# Altium PCB PCB22.PcbDoc (part 3 of 16)
Units mm, origin at the board's own origin, x right, y up, seen from the top; angles counter-clockwise.
Board outline 233.7 x 110.51 mm, 4 copper layers (Top Layer, Layer 1, Layer 2, Bottom Layer), stack 0.603 mm thick; 1249 components, 1355 nets, 4549 pads, 1315 vias.
Unrouted connection lines stored in the file: 1569.
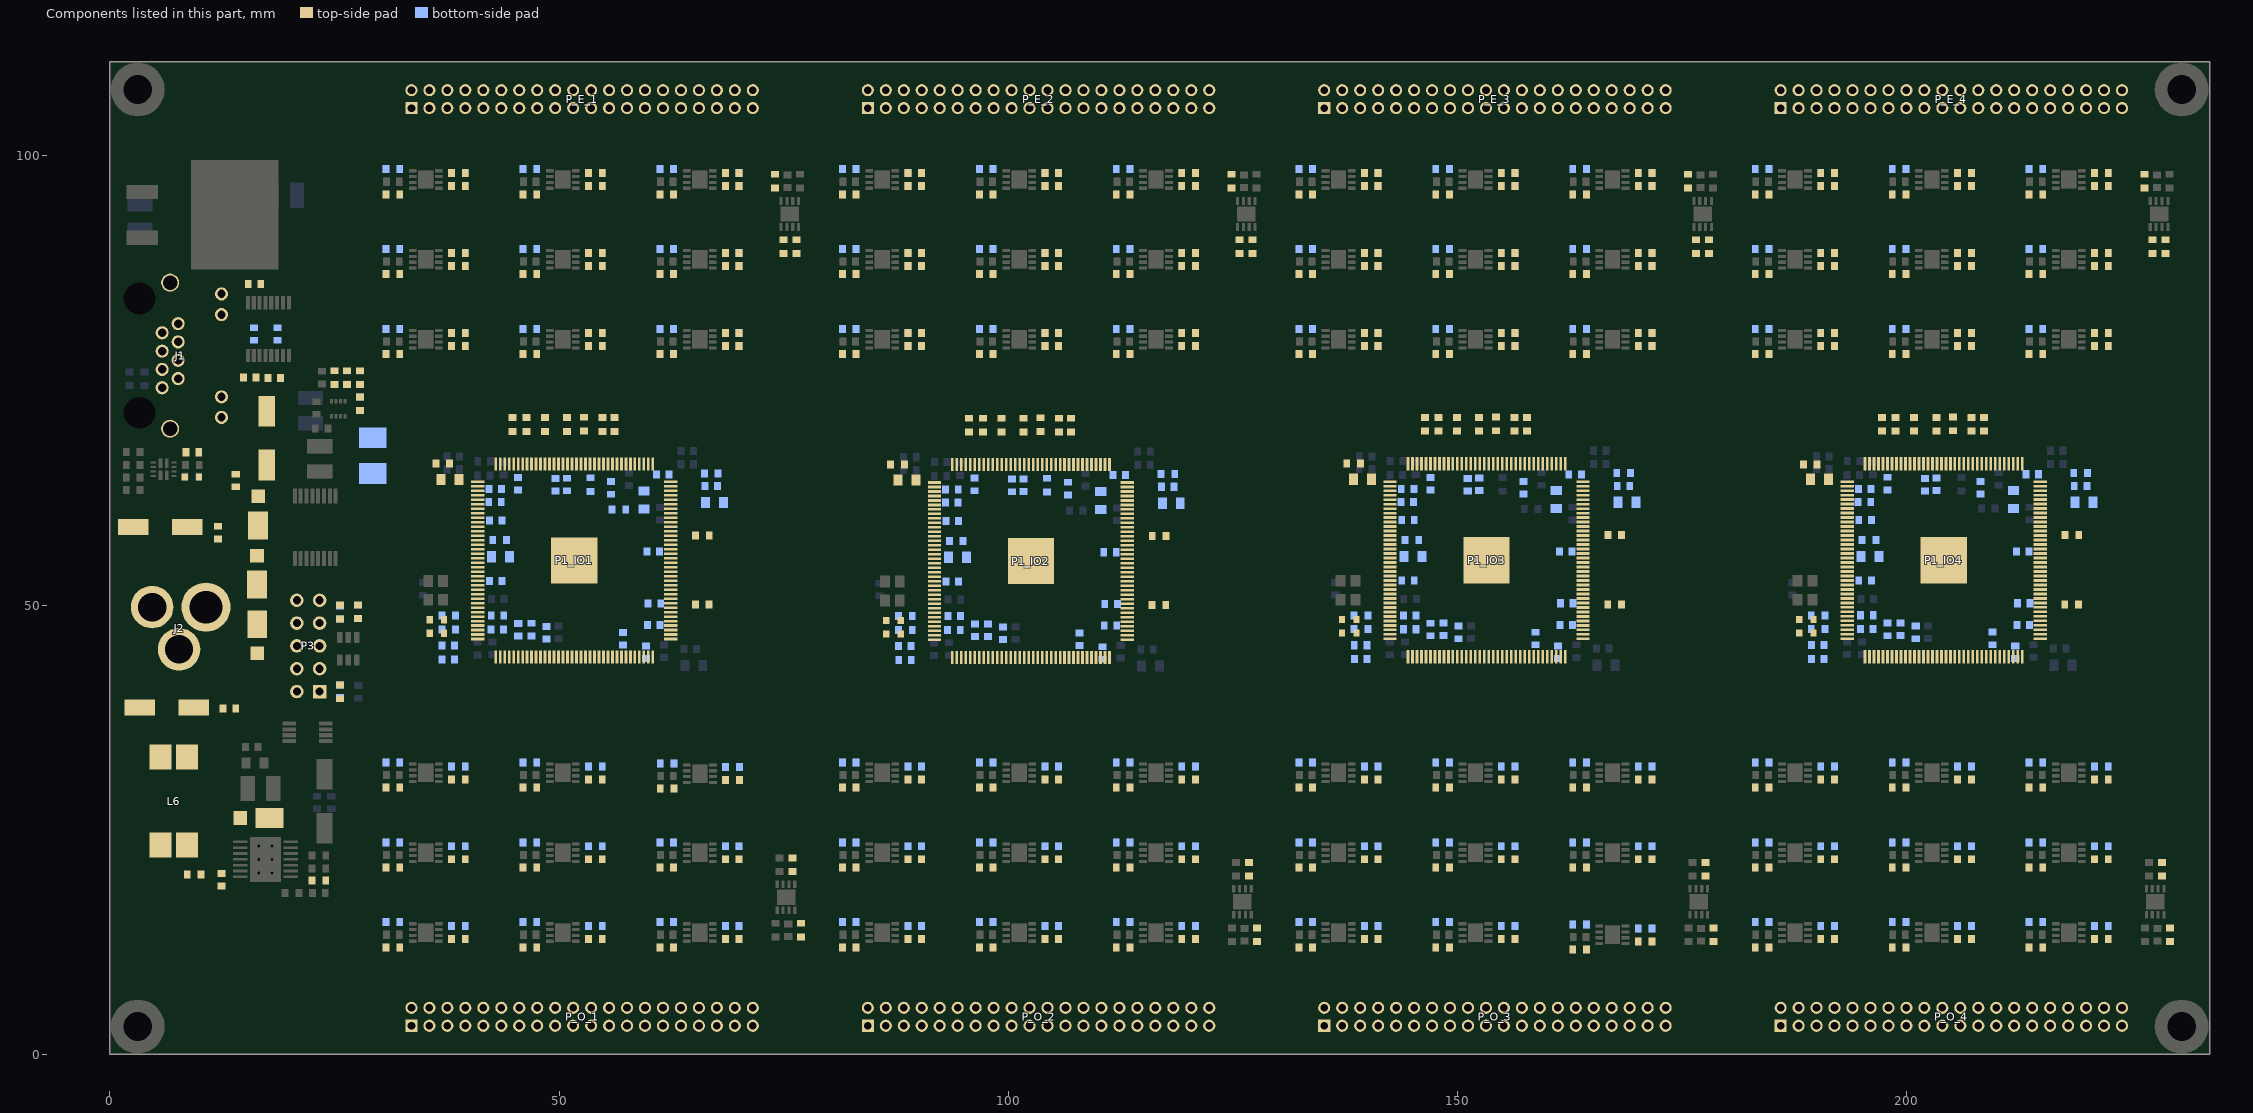
[diagram p5: the components of this part, seen from the top]

## Components (designator, comment, footprint, x,y, rotation, side; value= is the part's Value field where it differs from the comment) (continued)
C38 "10pF/50V" 0603C 25.615,49.181 r270 bottom
C39 "10pF/50V" 0603C 25.612,40.41 r90 bottom
C40 "0.1uF/50V" 0603C 15.556,75.354 r180 top
C41 "0.1uF/50V" 0603C 16.034,80.19 r270 bottom
C42 "0.1uF/50V" 0603C 16.092,85.737 r180 top
C43 "0.1uF/50V" 0603C 18.276,75.308 r180 top
C44 "0.1uF/50V" 0603C 18.635,80.19 r270 bottom
C45_POWER1 "0.1uF/16V" 0603C 60.54,47.785 r180 bottom (schematic designator C45)
C45_POWER2 "0.1uF/16V" 0603C 111.368,47.719 r180 bottom (schematic designator C45)
C45_POWER3 "0.1uF/16V" 0603C 162.089,47.806 r180 bottom (schematic designator C45)
C45_POWER4 "0.1uF/16V" 0603C 212.965,47.81 r180 bottom (schematic designator C45)
C46_POWER1 "10uF/25V" 0805C 37.867,63.99 r0 top (schematic designator C46)
C46_POWER2 "10uF/25V" 0805C 88.695,63.924 r0 top (schematic designator C46)
C46_POWER3 "10uF/25V" 0805C 139.416,64.012 r0 top (schematic designator C46)
C46_POWER4 "10uF/25V" 0805C 190.292,64.015 r0 top (schematic designator C46)
C47_POWER1 "0.47uF/16V" 0603C 61.53,64.549 r0 bottom (schematic designator C47)
C47_POWER2 "0.47uF/16V" 0603C 112.358,64.483 r0 bottom (schematic designator C47)
C47_POWER3 "0.47uF/16V" 0603C 163.08,64.57 r0 bottom (schematic designator C47)
C47_POWER4 "0.47uF/16V" 0603C 213.956,64.574 r0 bottom (schematic designator C47)
C48_POWER1 "0.1uF/16V" 0603C 37.654,45.524 r180 bottom (schematic designator C48)
C48_POWER2 "0.1uF/16V" 0603C 88.482,45.458 r180 bottom (schematic designator C48)
C48_POWER3 "0.1uF/16V" 0603C 139.204,45.546 r180 bottom (schematic designator C48)
C48_POWER4 "0.1uF/16V" 0603C 190.08,45.55 r180 bottom (schematic designator C48)
C49_POWER1 "0.1uF/16V" 0603C 42.861,61.475 r0 bottom (schematic designator C49)
C49_POWER2 "0.1uF/16V" 0603C 93.689,61.409 r0 bottom (schematic designator C49)
C49_POWER3 "0.1uF/16V" 0603C 144.411,61.497 r0 bottom (schematic designator C49)
C49_POWER4 "0.1uF/16V" 0603C 195.287,61.501 r0 bottom (schematic designator C49)
C51_POWER1 "0.1uF/16V" 0603C 42.887,62.923 r0 bottom (schematic designator C51)
C51_POWER2 "0.1uF/16V" 0603C 93.715,62.857 r0 bottom (schematic designator C51)
C51_POWER3 "0.1uF/16V" 0603C 144.436,62.945 r0 bottom (schematic designator C51)
C51_POWER4 "0.1uF/16V" 0603C 195.312,62.949 r0 bottom (schematic designator C51)
C52_POWER1 "0.1uF/16V" 0603C 43.141,48.852 r0 bottom (schematic designator C52)
C52_POWER2 "0.1uF/16V" 0603C 93.969,48.786 r0 bottom (schematic designator C52)
C52_POWER3 "0.1uF/16V" 0603C 144.69,48.873 r0 bottom (schematic designator C52)
C52_POWER4 "0.1uF/16V" 0603C 195.566,48.877 r0 bottom (schematic designator C52)
C53_POWER1 "0.01uF/16V" 0603C 43.115,47.302 r0 bottom (schematic designator C53)
C53_POWER2 "0.01uF/16V" 0603C 93.943,47.236 r0 bottom (schematic designator C53)
C53_POWER3 "0.01uF/16V" 0603C 144.665,47.324 r0 bottom (schematic designator C53)
C53_POWER4 "0.01uF/16V" 0603C 195.541,47.328 r0 bottom (schematic designator C53)
C54_POWER1 "0.47uF/16V" 0603C 59.651,44.748 r270 bottom (schematic designator C54)
C54_POWER2 "0.47uF/16V" 0603C 110.479,44.682 r270 bottom (schematic designator C54)
C54_POWER3 "0.47uF/16V" 0603C 161.2,44.77 r270 bottom (schematic designator C54)
C54_POWER4 "0.47uF/16V" 0603C 212.076,44.773 r270 bottom (schematic designator C54)
C55_POWER1 "10uF/25V" 0805C 59.448,61.729 r90 bottom (schematic designator C55)
C55_POWER2 "10uF/25V" 0805C 110.276,61.663 r90 bottom (schematic designator C55)
C55_POWER3 "10uF/25V" 0805C 160.997,61.751 r90 bottom (schematic designator C55)
C55_POWER4 "10uF/25V" 0805C 211.873,61.755 r90 bottom (schematic designator C55)
C56_POWER1 "22uF/10V" 0603C 37.666,43.975 r0 bottom (schematic designator C56)
C56_POWER2 "22uF/10V" 0603C 88.494,43.909 r0 bottom (schematic designator C56)
C56_POWER3 "22uF/10V" 0603C 139.215,43.996 r0 bottom (schematic designator C56)
C56_POWER4 "22uF/10V" 0603C 190.091,44 r0 bottom (schematic designator C56)
C57_POWER1 "0.1uF/16V" 0603C 48.576,46.947 r90 bottom (schematic designator C57)
C57_POWER2 "0.1uF/16V" 0603C 99.404,46.881 r90 bottom (schematic designator C57)
C57_POWER3 "0.1uF/16V" 0603C 150.126,46.968 r90 bottom (schematic designator C57)
C57_POWER4 "0.1uF/16V" 0603C 201.002,46.972 r90 bottom (schematic designator C57)
C58_POWER1 "0.1uF/16V" 0603C 45.452,47.277 r90 bottom (schematic designator C58)
C58_POWER2 "0.1uF/16V" 0603C 96.28,47.211 r90 bottom (schematic designator C58)
C58_POWER3 "0.1uF/16V" 0603C 147.001,47.298 r90 bottom (schematic designator C58)
C58_POWER4 "0.1uF/16V" 0603C 197.878,47.302 r90 bottom (schematic designator C58)
C59_POWER1 "0.1uF/16V" 0603C 42.938,52.712 r0 bottom (schematic designator C59)
C59_POWER2 "0.1uF/16V" 0603C 93.766,52.646 r0 bottom (schematic designator C59)
C59_POWER3 "0.1uF/16V" 0603C 144.487,52.734 r0 bottom (schematic designator C59)
C59_POWER4 "0.1uF/16V" 0603C 195.363,52.738 r0 bottom (schematic designator C59)
C60_POWER1 "0.1uF/16V" 0603C 42.938,59.443 r0 bottom (schematic designator C60)
C60_POWER2 "0.1uF/16V" 0603C 93.766,59.377 r0 bottom (schematic designator C60)
C60_POWER3 "0.1uF/16V" 0603C 144.487,59.465 r0 bottom (schematic designator C60)
C60_POWER4 "0.1uF/16V" 0603C 195.363,59.469 r0 bottom (schematic designator C60)
C61_POWER1 "0.1uF/16V" 0603C 45.427,63.507 r270 bottom (schematic designator C61)
C61_POWER2 "0.1uF/16V" 0603C 96.255,63.441 r270 bottom (schematic designator C61)
C61_POWER3 "0.1uF/16V" 0603C 146.976,63.529 r270 bottom (schematic designator C61)
C61_POWER4 "0.1uF/16V" 0603C 197.852,63.533 r270 bottom (schematic designator C61)
C62_POWER1 "0.1uF/16V" 0603C 50.862,63.431 r270 bottom (schematic designator C62)
C62_POWER2 "0.1uF/16V" 0603C 101.69,63.365 r270 bottom (schematic designator C62)
C62_POWER3 "0.1uF/16V" 0603C 152.412,63.453 r270 bottom (schematic designator C62)
C62_POWER4 "0.1uF/16V" 0603C 203.288,63.457 r270 bottom (schematic designator C62)
C63 "0.047uF/50V" 0603C 12.44,19.431 r90 top
C64_POWER1 "0.1uF/16V" 0603C 55.79,63.05 r270 bottom (schematic designator C64)
C64_POWER2 "0.1uF/16V" 0603C 106.618,62.984 r270 bottom (schematic designator C64)
C64_POWER3 "0.1uF/16V" 0603C 157.339,63.072 r270 bottom (schematic designator C64)
C64_POWER4 "0.1uF/16V" 0603C 208.215,63.076 r270 bottom (schematic designator C64)
C65_POWER1 "0.1uF/16V" 0603C 60.603,50.196 r180 bottom (schematic designator C65)
C65_POWER2 "0.1uF/16V" 0603C 111.431,50.13 r180 bottom (schematic designator C65)
C65_POWER3 "0.1uF/16V" 0603C 162.153,50.217 r180 bottom (schematic designator C65)
C65_POWER4 "0.1uF/16V" 0603C 213.029,50.221 r180 bottom (schematic designator C65)
C66_POWER1 "0.1uF/16V" 0603C 57.111,46.272 r90 bottom (schematic designator C66)
C66_POWER2 "0.1uF/16V" 0603C 107.939,46.206 r90 bottom (schematic designator C66)
C66_POWER3 "0.1uF/16V" 0603C 158.66,46.294 r90 bottom (schematic designator C66)
C66_POWER4 "0.1uF/16V" 0603C 209.536,46.297 r90 bottom (schematic designator C66)
C67_POWER1 "0.1uF/16V" 0603C 60.489,55.964 r180 bottom (schematic designator C67)
C67_POWER2 "0.1uF/16V" 0603C 111.317,55.898 r180 bottom (schematic designator C67)
C67_POWER3 "0.1uF/16V" 0603C 162.038,55.985 r180 bottom (schematic designator C67)
C67_POWER4 "0.1uF/16V" 0603C 212.914,55.989 r180 bottom (schematic designator C67)
C68_POWER1 "0.47uF/16V" 0603C 46.9,47.288 r90 bottom (schematic designator C68)
C68_POWER2 "0.47uF/16V" 0603C 97.728,47.222 r90 bottom (schematic designator C68)
C68_POWER3 "0.47uF/16V" 0603C 148.449,47.31 r90 bottom (schematic designator C68)
C68_POWER4 "0.47uF/16V" 0603C 199.325,47.313 r90 bottom (schematic designator C68)
C69_POWER1 "10uF/25V" 0805C 43.496,55.405 r0 bottom (schematic designator C69)
C69_POWER2 "10uF/25V" 0805C 94.324,55.339 r0 bottom (schematic designator C69)
C69_POWER3 "10uF/25V" 0805C 145.046,55.426 r0 bottom (schematic designator C69)
C69_POWER4 "10uF/25V" 0805C 195.922,55.43 r0 bottom (schematic designator C69)
C70_POWER1 "10uF/25V" 0805C 67.306,61.425 r180 bottom (schematic designator C70)
C70_POWER2 "10uF/25V" 0805C 118.134,61.359 r180 bottom (schematic designator C70)
C70_POWER3 "10uF/25V" 0805C 168.855,61.446 r180 bottom (schematic designator C70)
C70_POWER4 "10uF/25V" 0805C 219.731,61.45 r180 bottom (schematic designator C70)
C71_POWER1 "22uF/10V" 0603C 49.584,63.395 r90 bottom (schematic designator C71)
C71_POWER2 "22uF/10V" 0603C 100.412,63.329 r90 bottom (schematic designator C71)
C71_POWER3 "22uF/10V" 0603C 151.133,63.417 r90 bottom (schematic designator C71)
C71_POWER4 "22uF/10V" 0603C 202.009,63.421 r90 bottom (schematic designator C71)
C72_POWER1 "22uF/10V" 0603C 66.925,63.253 r180 bottom (schematic designator C72)
C72_POWER2 "22uF/10V" 0603C 117.753,63.187 r180 bottom (schematic designator C72)
C72_POWER3 "22uF/10V" 0603C 168.474,63.275 r180 bottom (schematic designator C72)
C72_POWER4 "22uF/10V" 0603C 219.35,63.279 r180 bottom (schematic designator C72)
C73 "10uF/63V" EEE-FN1J100L 6.324,38.605 r180 top
C74 "2.2uF/50V" 0603C 13.297,38.493 r180 top
C75 "2.2uF/50V" 0603C 12.016,58.082 r90 top
C76 "10uF/63V" EEE-FN1J100L 5.59,58.717 r180 top
C77 "2.2uF/50V" 0603C 9.185,67.028 r180 top
C78 "2.2uF/50V" 0603C 13.999,63.881 r270 top
C79 "10uF/63V" EEE-FN1J100L 17.461,68.603 r90 top
D1_IO1 "LEDR" LED_0603 36.392,48.374 r180 top value=RED (schematic designator D1)
D1_IO2 "LEDR" LED_0603 87.22,48.308 r180 top value=RED (schematic designator D1)
D1_IO3 "LEDR" LED_0603 137.941,48.396 r180 top value=RED (schematic designator D1)
D1_IO4 "LEDR" LED_0603 188.817,48.399 r180 top value=RED (schematic designator D1)
D2_IO1 "LEDR" LED_0603 36.392,46.868 r180 top value=RED (schematic designator D2)
D2_IO2 "LEDR" LED_0603 87.22,46.802 r180 top value=RED (schematic designator D2)
D2_IO3 "LEDR" LED_0603 137.941,46.889 r180 top value=RED (schematic designator D2)
D2_IO4 "LEDR" LED_0603 188.817,46.893 r180 top value=RED (schematic designator D2)
D3 "LEDR" LED_0603 9.118,64.255 r180 top value=RED
D4 "V8PAM10S-M3_H" V8PAM10SHM3H 16.494,59.984 r90 top
D5 "V8PAM10S-M3_H" V8PAM10SHM3H 16.377,53.385 r90 top
D6 "V8PAM10S-M3_H" V8PAM10SHM3H 16.39,46.791 r270 top
D7 "V8PAM10S-M3_H" V8PAM10SHM3H 16.648,26.314 r180 top
J1 "RJHSE-5381" RJHSE5381 5.683,77.703 r270 top locked
J2 "PJ-002BH" PJ002BH 10.693,49.787 r180 top
L1_POWER1 "100R,1A" 0603L 37.039,65.756 r180 top value=100R/1A (schematic designator L1)
L1_POWER2 "100R,1A" 0603L 87.662,65.674 r180 top value=100R/1A (schematic designator L1)
L1_POWER3 "100R,1A" 0603L 138.421,65.787 r180 top value=100R/1A (schematic designator L1)
L1_POWER4 "100R,1A" 0603L 189.262,65.674 r180 top value=100R/1A (schematic designator L1)
L3_POWER1 "100R,1A" 0603L 66.925,64.673 r0 bottom value=100R/1A (schematic designator L3)
L3_POWER2 "100R,1A" 0603L 117.753,64.607 r0 bottom value=100R/1A (schematic designator L3)
L3_POWER3 "100R,1A" 0603L 168.474,64.695 r0 bottom value=100R/1A (schematic designator L3)
L3_POWER4 "100R,1A" 0603L 219.35,64.699 r0 bottom value=100R/1A (schematic designator L3)
L4 "2.2uH" IHLP1616BZER2R2M5A 29.242,68.658 r270 bottom
L6 "22uH" CDRH124NP-220MC 7.106,28.194 r0 top
P1_IO1 "10M04SC E144" 10M04SCE144C8G 51.682,54.979 r0 top (schematic designator P1)
P1_IO2 "10M04SC E144" 10M04SCE144C8G 102.51,54.913 r0 top (schematic designator P1)
P1_IO3 "10M04SC E144" 10M04SCE144C8G 153.231,55.001 r0 top (schematic designator P1)
P1_IO4 "10M04SC E144" 10M04SCE144C8G 204.107,55.005 r0 top locked (schematic designator P1)
P3 "JTAG" HDR2X5 23.339,40.388 r90 top
P_E_1 "Header 20X2" HDR2X20 33.56,105.33 r0 top locked value=40
P_E_2 "Header 20X2" HDR2X20 84.36,105.33 r0 top locked value=40
P_E_3 "Header 20X2" HDR2X20 135.16,105.33 r0 top locked value=40
P_E_4 "Header 20X2" HDR2X20 185.96,105.33 r0 top locked value=40
P_O_1 "Header 20X2" HDR2X20 33.56,3.19 r0 top value=40
P_O_2 "Header 20X2" HDR2X20 84.36,3.19 r0 top locked value=40
P_O_3 "Header 20X2" HDR2X20 135.16,3.19 r0 top locked value=40
P_O_4 "Header 20X2" HDR2X20 185.96,3.19 r0 top locked value=40
R1_IO1 "10K" 0603R 43.369,57.234 r0 bottom (schematic designator R1)
R1_IO2 "10K" 0603R 94.197,57.168 r0 bottom (schematic designator R1)
R1_IO3 "10K" 0603R 144.919,57.255 r0 bottom (schematic designator R1)
R1_IO4 "10K" 0603R 195.795,57.259 r0 bottom (schematic designator R1)
R2_IO1 "10K" 0603R 44.817,70.111 r90 top (schematic designator R2)
R2_IO2 "10K" 0603R 95.645,70.045 r90 top (schematic designator R2)
R2_IO3 "10K" 0603R 146.366,70.133 r90 top (schematic designator R2)
R2_IO4 "10K" 0603R 197.243,70.137 r90 top (schematic designator R2)
R3_IO1 "10K" 0603R 46.341,70.111 r90 top (schematic designator R3)
R3_IO2 "10K" 0603R 97.169,70.045 r90 top (schematic designator R3)
R3_IO3 "10K" 0603R 147.89,70.133 r90 top (schematic designator R3)
R3_IO4 "10K" 0603R 198.767,70.137 r90 top (schematic designator R3)
R4_IO1 "10K" 0603R 48.399,70.111 r90 top (schematic designator R4)
R4_IO2 "10K" 0603R 99.227,70.045 r90 top (schematic designator R4)
R4_IO3 "10K" 0603R 149.948,70.133 r90 top (schematic designator R4)
R4_IO4 "10K" 0603R 200.824,70.137 r90 top (schematic designator R4)
R5_IO1 "10K" 0603R 50.862,70.111 r90 top (schematic designator R5)
R5_IO2 "10K" 0603R 101.69,70.045 r90 top (schematic designator R5)
R5_IO3 "10K" 0603R 152.412,70.133 r90 top (schematic designator R5)
R5_IO4 "10K" 0603R 203.288,70.137 r90 top (schematic designator R5)
R6_IO1 "10K" 0603R 54.799,70.111 r90 top (schematic designator R6)
R6_IO2 "10K" 0603R 105.627,70.045 r90 top (schematic designator R6)
R6_IO3 "10K" 0603R 156.349,70.133 r90 top (schematic designator R6)
R6_IO4 "10K" 0603R 207.225,70.137 r90 top (schematic designator R6)
R7_IO1 "10K" 0603R 56.171,70.111 r90 top (schematic designator R7)
R7_IO2 "10K" 0603R 106.999,70.045 r90 top (schematic designator R7)
R7_IO3 "10K" 0603R 157.72,70.133 r90 top (schematic designator R7)
R7_IO4 "10K" 0603R 208.596,70.137 r90 top (schematic designator R7)
R8_IO1 "220R" 0603R 37.705,48.852 r180 bottom (schematic designator R8)
R8_IO2 "220R" 0603R 88.533,48.786 r180 bottom (schematic designator R8)
R8_IO3 "220R" 0603R 139.254,48.873 r180 bottom (schematic designator R8)
R8_IO4 "220R" 0603R 190.131,48.877 r180 bottom (schematic designator R8)
R9 "10K" 0603R 23.26,19.338 r180 top
R10 "10K" 0603R 25.612,40.348 r270 top
R11 "10K" 0603R 25.615,49.243 r90 top
R12 "1K" 0603R 27.632,49.278 r90 top
R13_IO1 "1K" 0603R 52.742,70.162 r90 top (schematic designator R13)
R13_IO2 "1K" 0603R 103.57,70.096 r90 top (schematic designator R13)
R13_IO3 "1K" 0603R 154.291,70.184 r90 top (schematic designator R13)
R13_IO4 "1K" 0603R 205.167,70.188 r90 top (schematic designator R13)
R14_IO1 "4.7K" 0603R 65.95,57.767 r180 top (schematic designator R14)
R14_IO2 "4.7K" 0603R 116.778,57.701 r180 top (schematic designator R14)
R14_IO3 "4.7K" 0603R 167.499,57.789 r180 top (schematic designator R14)
R14_IO4 "4.7K" 0603R 218.375,57.792 r180 top (schematic designator R14)
R15 "604K" 0603R 24.997,75.336 r270 top
R16 "20R" 0603R 26.397,75.336 r270 top
R17 "10K" 0603R 27.815,72.425 r90 top
R18 "40.2K" 0603R 27.817,75.329 r270 top
R19 "7.68K" 0603R 27.815,72.425 r90 bottom
R20_IO1 "4.7K" 0603R 65.925,50.071 r180 top (schematic designator R20)
R20_IO2 "4.7K" 0603R 116.753,50.005 r180 top (schematic designator R20)
R20_IO3 "4.7K" 0603R 167.474,50.092 r180 top (schematic designator R20)
R20_IO4 "4.7K" 0603R 218.35,50.096 r180 top (schematic designator R20)
R21_IO1 "220R" 0603R 37.705,47.302 r180 bottom (schematic designator R21)
R21_IO2 "220R" 0603R 88.533,47.236 r180 bottom (schematic designator R21)
R21_IO3 "220R" 0603R 139.254,47.324 r180 bottom (schematic designator R21)
R21_IO4 "220R" 0603R 190.131,47.328 r180 bottom (schematic designator R21)
R22 "10K" 0603R 9.366,20.04 r180 top
R23 "10K" 0603R 53.512,63.431 r90 bottom
R24 "10K" 0603R 56.649,60.665 r0 bottom
R25 "10K" 0603R 104.279,63.365 r90 bottom
R26_U_VoltageAmplifier11 "1K" 0603R 38.788,78.872 r0 top (schematic designator R26)
R26_U_VoltageAmplifier12 "1K" 0603R 89.588,78.872 r0 top (schematic designator R26)
R26_U_VoltageAmplifier13 "1K" 0603R 140.388,78.872 r0 top (schematic designator R26)
R26_U_VoltageAmplifier14 "1K" 0603R 191.188,78.872 r0 top (schematic designator R26)
R26_U_VoltageAmplifier21 "1K" 0603R 38.788,80.319 r0 bottom (schematic designator R26)
R26_U_VoltageAmplifier22 "1K" 0603R 89.588,80.319 r0 bottom (schematic designator R26)
R26_U_VoltageAmplifier23 "1K" 0603R 140.388,80.319 r0 bottom (schematic designator R26)
R26_U_VoltageAmplifier24 "1K" 0603R 191.188,80.319 r0 bottom (schematic designator R26)
R26_U_VoltageAmplifier31 "1K" 0603R 38.788,87.762 r0 top (schematic designator R26)
R26_U_VoltageAmplifier32 "1K" 0603R 89.588,87.762 r0 top (schematic designator R26)
R26_U_VoltageAmplifier33 "1K" 0603R 140.388,87.762 r0 top (schematic designator R26)
R26_U_VoltageAmplifier34 "1K" 0603R 191.188,87.762 r0 top (schematic designator R26)
R26_U_VoltageAmplifier41 "1K" 0603R 38.788,89.209 r0 bottom (schematic designator R26)
R26_U_VoltageAmplifier42 "1K" 0603R 89.588,89.209 r0 bottom (schematic designator R26)
R26_U_VoltageAmplifier43 "1K" 0603R 140.388,89.209 r0 bottom (schematic designator R26)
R26_U_VoltageAmplifier44 "1K" 0603R 191.188,89.209 r0 bottom (schematic designator R26)
R26_U_VoltageAmplifier51 "1K" 0603R 38.788,96.652 r0 top (schematic designator R26)
R26_U_VoltageAmplifier52 "1K" 0603R 89.588,96.652 r0 top (schematic designator R26)
R26_U_VoltageAmplifier53 "1K" 0603R 140.388,96.652 r0 top (schematic designator R26)
R26_U_VoltageAmplifier54 "1K" 0603R 191.188,96.652 r0 top (schematic designator R26)
R26_U_VoltageAmplifier61 "1K" 0603R 38.788,98.099 r0 bottom (schematic designator R26)
R26_U_VoltageAmplifier62 "1K" 0603R 89.588,98.099 r0 bottom (schematic designator R26)
R26_U_VoltageAmplifier63 "1K" 0603R 140.388,98.099 r0 bottom (schematic designator R26)
R26_U_VoltageAmplifier64 "1K" 0603R 191.188,98.099 r0 bottom (schematic designator R26)
R26_U_VoltageAmplifier71 "1K" 0603R 54.028,78.872 r0 top (schematic designator R26)
R26_U_VoltageAmplifier72 "1K" 0603R 104.828,78.872 r0 top (schematic designator R26)
R26_U_VoltageAmplifier73 "1K" 0603R 155.628,78.872 r0 top (schematic designator R26)
R26_U_VoltageAmplifier74 "1K" 0603R 206.428,78.872 r0 top (schematic designator R26)
R26_U_VoltageAmplifier81 "1K" 0603R 54.028,80.319 r0 bottom (schematic designator R26)
R26_U_VoltageAmplifier82 "1K" 0603R 104.828,80.319 r0 bottom (schematic designator R26)
R26_U_VoltageAmplifier83 "1K" 0603R 155.628,80.319 r0 bottom (schematic designator R26)
R26_U_VoltageAmplifier84 "1K" 0603R 206.428,80.319 r0 bottom (schematic designator R26)
R26_U_VoltageAmplifier91 "1K" 0603R 54.028,87.762 r0 top (schematic designator R26)
R26_U_VoltageAmplifier92 "1K" 0603R 104.828,87.762 r0 top (schematic designator R26)
R26_U_VoltageAmplifier93 "1K" 0603R 155.628,87.762 r0 top (schematic designator R26)
R26_U_VoltageAmplifier94 "1K" 0603R 206.428,87.762 r0 top (schematic designator R26)
R26_U_VoltageAmplifier101 "1K" 0603R 54.028,89.209 r0 bottom (schematic designator R26)
R26_U_VoltageAmplifier102 "1K" 0603R 104.828,89.209 r0 bottom (schematic designator R26)
R26_U_VoltageAmplifier103 "1K" 0603R 155.628,89.209 r0 bottom (schematic designator R26)
R26_U_VoltageAmplifier104 "1K" 0603R 206.428,89.209 r0 bottom (schematic designator R26)
R26_U_VoltageAmplifier111 "1K" 0603R 54.028,96.652 r0 top (schematic designator R26)
R26_U_VoltageAmplifier112 "1K" 0603R 104.828,96.652 r0 top (schematic designator R26)
R26_U_VoltageAmplifier113 "1K" 0603R 155.628,96.652 r0 top (schematic designator R26)
R26_U_VoltageAmplifier114 "1K" 0603R 206.428,96.652 r0 top (schematic designator R26)
R26_U_VoltageAmplifier121 "1K" 0603R 54.028,98.099 r0 bottom (schematic designator R26)
R26_U_VoltageAmplifier122 "1K" 0603R 104.828,98.099 r0 bottom (schematic designator R26)
R26_U_VoltageAmplifier123 "1K" 0603R 155.628,98.099 r0 bottom (schematic designator R26)
R26_U_VoltageAmplifier124 "1K" 0603R 206.428,98.099 r0 bottom (schematic designator R26)
R26_U_VoltageAmplifier131 "1K" 0603R 69.268,78.872 r0 top (schematic designator R26)
R26_U_VoltageAmplifier132 "1K" 0603R 120.068,78.872 r0 top (schematic designator R26)
R26_U_VoltageAmplifier133 "1K" 0603R 170.868,78.872 r0 top (schematic designator R26)
R26_U_VoltageAmplifier134 "1K" 0603R 221.668,78.872 r0 top (schematic designator R26)
R26_U_VoltageAmplifier141 "1K" 0603R 69.268,80.319 r0 bottom (schematic designator R26)
R26_U_VoltageAmplifier142 "1K" 0603R 120.068,80.319 r0 bottom (schematic designator R26)
R26_U_VoltageAmplifier143 "1K" 0603R 170.868,80.319 r0 bottom (schematic designator R26)
R26_U_VoltageAmplifier144 "1K" 0603R 221.668,80.319 r0 bottom (schematic designator R26)
R26_U_VoltageAmplifier151 "1K" 0603R 69.268,87.762 r0 top (schematic designator R26)
R26_U_VoltageAmplifier152 "1K" 0603R 120.068,87.762 r0 top (schematic designator R26)
R26_U_VoltageAmplifier153 "1K" 0603R 170.868,87.762 r0 top (schematic designator R26)
R26_U_VoltageAmplifier154 "1K" 0603R 221.668,87.762 r0 top (schematic designator R26)
R26_U_VoltageAmplifier161 "1K" 0603R 69.268,89.209 r0 bottom (schematic designator R26)
R26_U_VoltageAmplifier162 "1K" 0603R 120.068,89.209 r0 bottom (schematic designator R26)
R26_U_VoltageAmplifier163 "1K" 0603R 170.868,89.209 r0 bottom (schematic designator R26)
R26_U_VoltageAmplifier164 "1K" 0603R 221.668,89.209 r0 bottom (schematic designator R26)
R26_U_VoltageAmplifier171 "1K" 0603R 69.268,96.652 r0 top (schematic designator R26)
R26_U_VoltageAmplifier172 "1K" 0603R 120.068,96.652 r0 top (schematic designator R26)
R26_U_VoltageAmplifier173 "1K" 0603R 170.868,96.652 r0 top (schematic designator R26)
R26_U_VoltageAmplifier174 "1K" 0603R 221.668,96.652 r0 top (schematic designator R26)
R26_U_VoltageAmplifier181 "1K" 0603R 69.268,98.099 r0 bottom (schematic designator R26)
R26_U_VoltageAmplifier182 "1K" 0603R 120.068,98.099 r0 bottom (schematic designator R26)
R26_U_VoltageAmplifier183 "1K" 0603R 170.868,98.099 r0 bottom (schematic designator R26)
R26_U_VoltageAmplifier184 "1K" 0603R 221.668,98.099 r0 bottom (schematic designator R26)
R26_U_VoltageAmplifier191 "1K" 0603R 74.952,89.91 r270 top (schematic designator R26)
R26_U_VoltageAmplifier192 "1K" 0603R 125.752,89.91 r270 top (schematic designator R26)
R26_U_VoltageAmplifier193 "1K" 0603R 176.552,89.91 r270 top (schematic designator R26)
R26_U_VoltageAmplifier194 "1K" 0603R 227.352,89.91 r270 top (schematic designator R26)
R26_U_VoltageAmplifier201 "1K" 0603R 38.788,30.612 r0 top (schematic designator R26)
R26_U_VoltageAmplifier202 "1K" 0603R 89.588,30.612 r0 top (schematic designator R26)
R26_U_VoltageAmplifier203 "1K" 0603R 140.388,30.612 r0 top (schematic designator R26)
R26_U_VoltageAmplifier204 "1K" 0603R 191.188,30.612 r0 top (schematic designator R26)
R26_U_VoltageAmplifier211 "1K" 0603R 38.788,32.059 r0 bottom (schematic designator R26)
R26_U_VoltageAmplifier212 "1K" 0603R 89.588,32.059 r0 bottom (schematic designator R26)
R26_U_VoltageAmplifier213 "1K" 0603R 140.388,32.059 r0 bottom (schematic designator R26)
R26_U_VoltageAmplifier214 "1K" 0603R 191.188,32.059 r0 bottom (schematic designator R26)
R26_U_VoltageAmplifier221 "1K" 0603R 38.788,21.722 r0 top (schematic designator R26)
R26_U_VoltageAmplifier222 "1K" 0603R 89.588,21.722 r0 top (schematic designator R26)
R26_U_VoltageAmplifier223 "1K" 0603R 140.388,21.722 r0 top (schematic designator R26)
R26_U_VoltageAmplifier224 "1K" 0603R 191.188,21.722 r0 top (schematic designator R26)
R26_U_VoltageAmplifier231 "1K" 0603R 38.788,23.169 r0 bottom (schematic designator R26)
R26_U_VoltageAmplifier232 "1K" 0603R 89.588,23.169 r0 bottom (schematic designator R26)
R26_U_VoltageAmplifier233 "1K" 0603R 140.388,23.169 r0 bottom (schematic designator R26)
R26_U_VoltageAmplifier234 "1K" 0603R 191.188,23.169 r0 bottom (schematic designator R26)
R26_U_VoltageAmplifier241 "1K" 0603R 38.788,12.832 r0 top (schematic designator R26)
R26_U_VoltageAmplifier242 "1K" 0603R 89.588,12.832 r0 top (schematic designator R26)
R26_U_VoltageAmplifier243 "1K" 0603R 140.388,12.832 r0 top (schematic designator R26)
R26_U_VoltageAmplifier244 "1K" 0603R 191.188,12.832 r0 top (schematic designator R26)
R26_U_VoltageAmplifier251 "1K" 0603R 38.788,14.279 r0 bottom (schematic designator R26)
R26_U_VoltageAmplifier252 "1K" 0603R 89.588,14.279 r0 bottom (schematic designator R26)
R26_U_VoltageAmplifier253 "1K" 0603R 140.388,14.279 r0 bottom (schematic designator R26)
R26_U_VoltageAmplifier254 "1K" 0603R 191.188,14.279 r0 bottom (schematic designator R26)
R26_U_VoltageAmplifier261 "1K" 0603R 54.028,30.612 r0 top (schematic designator R26)
R26_U_VoltageAmplifier262 "1K" 0603R 104.828,30.612 r0 top (schematic designator R26)
R26_U_VoltageAmplifier263 "1K" 0603R 155.628,30.612 r0 top (schematic designator R26)
R26_U_VoltageAmplifier264 "1K" 0603R 206.428,30.612 r0 top (schematic designator R26)
R26_U_VoltageAmplifier271 "1K" 0603R 54.028,32.059 r0 bottom (schematic designator R26)
R26_U_VoltageAmplifier272 "1K" 0603R 104.828,32.059 r0 bottom (schematic designator R26)
R26_U_VoltageAmplifier273 "1K" 0603R 155.628,32.059 r0 bottom (schematic designator R26)
R26_U_VoltageAmplifier274 "1K" 0603R 206.428,32.059 r0 bottom (schematic designator R26)
R26_U_VoltageAmplifier281 "1K" 0603R 54.028,21.722 r0 top (schematic designator R26)
R26_U_VoltageAmplifier282 "1K" 0603R 104.828,21.722 r0 top (schematic designator R26)
R26_U_VoltageAmplifier283 "1K" 0603R 155.628,21.722 r0 top (schematic designator R26)
R26_U_VoltageAmplifier284 "1K" 0603R 206.428,21.722 r0 top (schematic designator R26)
R26_U_VoltageAmplifier291 "1K" 0603R 54.028,23.169 r0 bottom (schematic designator R26)
R26_U_VoltageAmplifier292 "1K" 0603R 104.828,23.169 r0 bottom (schematic designator R26)
R26_U_VoltageAmplifier293 "1K" 0603R 155.628,23.169 r0 bottom (schematic designator R26)
R26_U_VoltageAmplifier294 "1K" 0603R 206.428,23.169 r0 bottom (schematic designator R26)
R26_U_VoltageAmplifier301 "1K" 0603R 54.028,12.832 r0 top (schematic designator R26)
R26_U_VoltageAmplifier302 "1K" 0603R 104.828,12.832 r0 top (schematic designator R26)
R26_U_VoltageAmplifier303 "1K" 0603R 155.628,12.832 r0 top (schematic designator R26)
R26_U_VoltageAmplifier304 "1K" 0603R 206.428,12.832 r0 top (schematic designator R26)
R26_U_VoltageAmplifier311 "1K" 0603R 54.028,14.279 r0 bottom (schematic designator R26)
R26_U_VoltageAmplifier312 "1K" 0603R 104.828,14.279 r0 bottom (schematic designator R26)
R26_U_VoltageAmplifier313 "1K" 0603R 155.628,14.279 r0 bottom (schematic designator R26)
R26_U_VoltageAmplifier314 "1K" 0603R 206.428,14.279 r0 bottom (schematic designator R26)
R26_U_VoltageAmplifier321 "1K" 0603R 69.298,30.52 r0 top (schematic designator R26)
R26_U_VoltageAmplifier322 "1K" 0603R 120.068,30.612 r0 top (schematic designator R26)
R26_U_VoltageAmplifier323 "1K" 0603R 170.868,30.612 r0 top (schematic designator R26)
R26_U_VoltageAmplifier324 "1K" 0603R 221.668,30.612 r0 top (schematic designator R26)
R26_U_VoltageAmplifier331 "1K" 0603R 69.298,31.968 r0 bottom (schematic designator R26)
R26_U_VoltageAmplifier332 "1K" 0603R 120.068,32.059 r0 bottom (schematic designator R26)
R26_U_VoltageAmplifier333 "1K" 0603R 170.868,32.059 r0 bottom (schematic designator R26)
R26_U_VoltageAmplifier334 "1K" 0603R 221.668,32.059 r0 bottom (schematic designator R26)
R26_U_VoltageAmplifier341 "1K" 0603R 69.268,21.722 r0 top (schematic designator R26)
R26_U_VoltageAmplifier342 "1K" 0603R 120.068,21.722 r0 top (schematic designator R26)
R26_U_VoltageAmplifier343 "1K" 0603R 170.868,21.722 r0 top (schematic designator R26)
R26_U_VoltageAmplifier344 "1K" 0603R 221.668,21.722 r0 top (schematic designator R26)
R26_U_VoltageAmplifier351 "1K" 0603R 69.268,23.169 r0 bottom (schematic designator R26)
R26_U_VoltageAmplifier352 "1K" 0603R 120.068,23.169 r0 bottom (schematic designator R26)
R26_U_VoltageAmplifier353 "1K" 0603R 170.868,23.169 r0 bottom (schematic designator R26)
R26_U_VoltageAmplifier354 "1K" 0603R 221.668,23.169 r0 bottom (schematic designator R26)
R26_U_VoltageAmplifier361 "1K" 0603R 69.268,12.832 r0 top (schematic designator R26)
R26_U_VoltageAmplifier362 "1K" 0603R 120.068,12.832 r0 top (schematic designator R26)
R26_U_VoltageAmplifier363 "1K" 0603R 170.868,12.578 r0 top (schematic designator R26)
R26_U_VoltageAmplifier364 "1K" 0603R 221.668,12.832 r0 top (schematic designator R26)
R26_U_VoltageAmplifier371 "1K" 0603R 69.268,14.279 r0 bottom (schematic designator R26)
R26_U_VoltageAmplifier372 "1K" 0603R 120.068,14.279 r0 bottom (schematic designator R26)
R26_U_VoltageAmplifier373 "1K" 0603R 170.868,14.025 r0 bottom (schematic designator R26)
R26_U_VoltageAmplifier374 "1K" 0603R 221.668,14.279 r0 bottom (schematic designator R26)
R26_U_VoltageAmplifier381 "1K" 0603R 75.988,21.118 r90 top (schematic designator R26)
R26_U_VoltageAmplifier382 "1K" 0603R 126.788,20.61 r90 top (schematic designator R26)
R26_U_VoltageAmplifier383 "1K" 0603R 177.588,20.61 r90 top (schematic designator R26)
R26_U_VoltageAmplifier384 "1K" 0603R 228.388,20.61 r90 top (schematic designator R26)
R27_U_VoltageAmplifier11 "160R" 0603R 31.498,77.957 r0 top (schematic designator R27)
R27_U_VoltageAmplifier12 "160R" 0603R 82.298,77.957 r0 top (schematic designator R27)
R27_U_VoltageAmplifier13 "160R" 0603R 133.098,77.957 r0 top (schematic designator R27)
R27_U_VoltageAmplifier14 "160R" 0603R 183.898,77.957 r0 top (schematic designator R27)
R27_U_VoltageAmplifier21 "160R" 0603R 31.498,80.751 r0 bottom (schematic designator R27)
R27_U_VoltageAmplifier22 "160R" 0603R 82.298,80.751 r0 bottom (schematic designator R27)
R27_U_VoltageAmplifier23 "160R" 0603R 133.098,80.751 r0 bottom (schematic designator R27)
R27_U_VoltageAmplifier24 "160R" 0603R 183.898,80.751 r0 bottom (schematic designator R27)
R27_U_VoltageAmplifier31 "160R" 0603R 31.498,86.847 r0 top (schematic designator R27)
R27_U_VoltageAmplifier32 "160R" 0603R 82.298,86.847 r0 top (schematic designator R27)
R27_U_VoltageAmplifier33 "160R" 0603R 133.098,86.847 r0 top (schematic designator R27)
R27_U_VoltageAmplifier34 "160R" 0603R 183.898,86.847 r0 top (schematic designator R27)
R27_U_VoltageAmplifier41 "160R" 0603R 31.498,89.641 r0 bottom (schematic designator R27)
R27_U_VoltageAmplifier42 "160R" 0603R 82.298,89.641 r0 bottom (schematic designator R27)
R27_U_VoltageAmplifier43 "160R" 0603R 133.098,89.641 r0 bottom (schematic designator R27)
R27_U_VoltageAmplifier44 "160R" 0603R 183.898,89.641 r0 bottom (schematic designator R27)
R27_U_VoltageAmplifier51 "160R" 0603R 31.498,95.737 r0 top (schematic designator R27)
R27_U_VoltageAmplifier52 "160R" 0603R 82.298,95.737 r0 top (schematic designator R27)
R27_U_VoltageAmplifier53 "160R" 0603R 133.098,95.737 r0 top (schematic designator R27)
R27_U_VoltageAmplifier54 "160R" 0603R 183.898,95.737 r0 top (schematic designator R27)
R27_U_VoltageAmplifier61 "160R" 0603R 31.498,98.531 r0 bottom (schematic designator R27)
R27_U_VoltageAmplifier62 "160R" 0603R 82.298,98.531 r0 bottom (schematic designator R27)
R27_U_VoltageAmplifier63 "160R" 0603R 133.098,98.531 r0 bottom (schematic designator R27)
R27_U_VoltageAmplifier64 "160R" 0603R 183.898,98.531 r0 bottom (schematic designator R27)
R27_U_VoltageAmplifier71 "160R" 0603R 46.738,77.957 r0 top (schematic designator R27)
R27_U_VoltageAmplifier72 "160R" 0603R 97.538,77.957 r0 top (schematic designator R27)
R27_U_VoltageAmplifier73 "160R" 0603R 148.338,77.957 r0 top (schematic designator R27)
R27_U_VoltageAmplifier74 "160R" 0603R 199.138,77.957 r0 top (schematic designator R27)
R27_U_VoltageAmplifier81 "160R" 0603R 46.738,80.751 r0 bottom (schematic designator R27)
R27_U_VoltageAmplifier82 "160R" 0603R 97.538,80.751 r0 bottom (schematic designator R27)
R27_U_VoltageAmplifier83 "160R" 0603R 148.338,80.751 r0 bottom (schematic designator R27)
R27_U_VoltageAmplifier84 "160R" 0603R 199.138,80.751 r0 bottom (schematic designator R27)
R27_U_VoltageAmplifier91 "160R" 0603R 46.738,86.847 r0 top (schematic designator R27)
R27_U_VoltageAmplifier92 "160R" 0603R 97.538,86.847 r0 top (schematic designator R27)
R27_U_VoltageAmplifier93 "160R" 0603R 148.338,86.847 r0 top (schematic designator R27)
R27_U_VoltageAmplifier94 "160R" 0603R 199.138,86.847 r0 top (schematic designator R27)
R27_U_VoltageAmplifier101 "160R" 0603R 46.738,89.641 r0 bottom (schematic designator R27)
R27_U_VoltageAmplifier102 "160R" 0603R 97.538,89.641 r0 bottom (schematic designator R27)
R27_U_VoltageAmplifier103 "160R" 0603R 148.338,89.641 r0 bottom (schematic designator R27)
R27_U_VoltageAmplifier104 "160R" 0603R 199.138,89.641 r0 bottom (schematic designator R27)
R27_U_VoltageAmplifier111 "160R" 0603R 46.738,95.737 r0 top (schematic designator R27)
R27_U_VoltageAmplifier112 "160R" 0603R 97.538,95.737 r0 top (schematic designator R27)
R27_U_VoltageAmplifier113 "160R" 0603R 148.338,95.737 r0 top (schematic designator R27)
R27_U_VoltageAmplifier114 "160R" 0603R 199.138,95.737 r0 top (schematic designator R27)
R27_U_VoltageAmplifier121 "160R" 0603R 46.738,98.531 r0 bottom (schematic designator R27)
R27_U_VoltageAmplifier122 "160R" 0603R 97.538,98.531 r0 bottom (schematic designator R27)
R27_U_VoltageAmplifier123 "160R" 0603R 148.338,98.531 r0 bottom (schematic designator R27)
R27_U_VoltageAmplifier124 "160R" 0603R 199.138,98.531 r0 bottom (schematic designator R27)
R27_U_VoltageAmplifier131 "160R" 0603R 61.978,77.957 r0 top (schematic designator R27)
R27_U_VoltageAmplifier132 "160R" 0603R 112.778,77.957 r0 top (schematic designator R27)
R27_U_VoltageAmplifier133 "160R" 0603R 163.578,77.957 r0 top (schematic designator R27)
R27_U_VoltageAmplifier134 "160R" 0603R 214.378,77.957 r0 top (schematic designator R27)
R27_U_VoltageAmplifier141 "160R" 0603R 61.978,80.751 r0 bottom (schematic designator R27)
R27_U_VoltageAmplifier142 "160R" 0603R 112.778,80.751 r0 bottom (schematic designator R27)
R27_U_VoltageAmplifier143 "160R" 0603R 163.578,80.751 r0 bottom (schematic designator R27)
R27_U_VoltageAmplifier144 "160R" 0603R 214.378,80.751 r0 bottom (schematic designator R27)
R27_U_VoltageAmplifier151 "160R" 0603R 61.978,86.847 r0 top (schematic designator R27)
R27_U_VoltageAmplifier152 "160R" 0603R 112.778,86.847 r0 top (schematic designator R27)
R27_U_VoltageAmplifier153 "160R" 0603R 163.578,86.847 r0 top (schematic designator R27)
R27_U_VoltageAmplifier154 "160R" 0603R 214.378,86.847 r0 top (schematic designator R27)
R27_U_VoltageAmplifier161 "160R" 0603R 61.978,89.641 r0 bottom (schematic designator R27)
R27_U_VoltageAmplifier162 "160R" 0603R 112.778,89.641 r0 bottom (schematic designator R27)
R27_U_VoltageAmplifier163 "160R" 0603R 163.578,89.641 r0 bottom (schematic designator R27)
R27_U_VoltageAmplifier164 "160R" 0603R 214.378,89.641 r0 bottom (schematic designator R27)
R27_U_VoltageAmplifier171 "160R" 0603R 61.978,95.737 r0 top (schematic designator R27)
R27_U_VoltageAmplifier172 "160R" 0603R 112.778,95.737 r0 top (schematic designator R27)
R27_U_VoltageAmplifier173 "160R" 0603R 163.578,95.737 r0 top (schematic designator R27)
R27_U_VoltageAmplifier174 "160R" 0603R 214.378,95.737 r0 top (schematic designator R27)
R27_U_VoltageAmplifier181 "160R" 0603R 61.978,98.531 r0 bottom (schematic designator R27)
R27_U_VoltageAmplifier182 "160R" 0603R 112.778,98.531 r0 bottom (schematic designator R27)
R27_U_VoltageAmplifier183 "160R" 0603R 163.578,98.531 r0 bottom (schematic designator R27)
R27_U_VoltageAmplifier184 "160R" 0603R 214.378,98.531 r0 bottom (schematic designator R27)
R27_U_VoltageAmplifier191 "160R" 0603R 74.037,97.2 r270 top (schematic designator R27)
R27_U_VoltageAmplifier192 "160R" 0603R 124.837,97.2 r270 top (schematic designator R27)
R27_U_VoltageAmplifier193 "160R" 0603R 175.637,97.2 r270 top (schematic designator R27)
R27_U_VoltageAmplifier194 "160R" 0603R 226.437,97.2 r270 top (schematic designator R27)
R27_U_VoltageAmplifier201 "160R" 0603R 31.498,29.697 r0 top (schematic designator R27)
R27_U_VoltageAmplifier202 "160R" 0603R 82.298,29.697 r0 top (schematic designator R27)
R27_U_VoltageAmplifier203 "160R" 0603R 133.098,29.697 r0 top (schematic designator R27)
R27_U_VoltageAmplifier204 "160R" 0603R 183.898,29.697 r0 top (schematic designator R27)
R27_U_VoltageAmplifier211 "160R" 0603R 31.498,32.491 r0 bottom (schematic designator R27)
R27_U_VoltageAmplifier212 "160R" 0603R 82.298,32.491 r0 bottom (schematic designator R27)
R27_U_VoltageAmplifier213 "160R" 0603R 133.098,32.491 r0 bottom (schematic designator R27)
R27_U_VoltageAmplifier214 "160R" 0603R 183.898,32.491 r0 bottom (schematic designator R27)
R27_U_VoltageAmplifier221 "160R" 0603R 31.498,20.807 r0 top (schematic designator R27)
R27_U_VoltageAmplifier222 "160R" 0603R 82.298,20.807 r0 top (schematic designator R27)
R27_U_VoltageAmplifier223 "160R" 0603R 133.098,20.807 r0 top (schematic designator R27)
R27_U_VoltageAmplifier224 "160R" 0603R 183.898,20.807 r0 top (schematic designator R27)
R27_U_VoltageAmplifier231 "160R" 0603R 31.498,23.601 r0 bottom (schematic designator R27)
R27_U_VoltageAmplifier232 "160R" 0603R 82.298,23.601 r0 bottom (schematic designator R27)
R27_U_VoltageAmplifier233 "160R" 0603R 133.098,23.601 r0 bottom (schematic designator R27)
R27_U_VoltageAmplifier234 "160R" 0603R 183.898,23.601 r0 bottom (schematic designator R27)
R27_U_VoltageAmplifier241 "160R" 0603R 31.498,11.917 r0 top (schematic designator R27)
R27_U_VoltageAmplifier242 "160R" 0603R 82.298,11.917 r0 top (schematic designator R27)
R27_U_VoltageAmplifier243 "160R" 0603R 133.098,11.917 r0 top (schematic designator R27)
R27_U_VoltageAmplifier244 "160R" 0603R 183.898,11.917 r0 top (schematic designator R27)
R27_U_VoltageAmplifier251 "160R" 0603R 31.498,14.711 r0 bottom (schematic designator R27)
R27_U_VoltageAmplifier252 "160R" 0603R 82.298,14.711 r0 bottom (schematic designator R27)
R27_U_VoltageAmplifier253 "160R" 0603R 133.098,14.711 r0 bottom (schematic designator R27)
R27_U_VoltageAmplifier254 "160R" 0603R 183.898,14.711 r0 bottom (schematic designator R27)
R27_U_VoltageAmplifier261 "160R" 0603R 46.738,29.697 r0 top (schematic designator R27)
R27_U_VoltageAmplifier262 "160R" 0603R 97.538,29.697 r0 top (schematic designator R27)
R27_U_VoltageAmplifier263 "160R" 0603R 148.338,29.697 r0 top (schematic designator R27)
R27_U_VoltageAmplifier264 "160R" 0603R 199.138,29.697 r0 top (schematic designator R27)
R27_U_VoltageAmplifier271 "160R" 0603R 46.738,32.491 r0 bottom (schematic designator R27)
R27_U_VoltageAmplifier272 "160R" 0603R 97.538,32.491 r0 bottom (schematic designator R27)
R27_U_VoltageAmplifier273 "160R" 0603R 148.338,32.491 r0 bottom (schematic designator R27)
R27_U_VoltageAmplifier274 "160R" 0603R 199.138,32.491 r0 bottom (schematic designator R27)
R27_U_VoltageAmplifier281 "160R" 0603R 46.738,20.807 r0 top (schematic designator R27)
R27_U_VoltageAmplifier282 "160R" 0603R 97.538,20.807 r0 top (schematic designator R27)
R27_U_VoltageAmplifier283 "160R" 0603R 148.338,20.807 r0 top (schematic designator R27)
R27_U_VoltageAmplifier284 "160R" 0603R 199.138,20.807 r0 top (schematic designator R27)
R27_U_VoltageAmplifier291 "160R" 0603R 46.738,23.601 r0 bottom (schematic designator R27)
R27_U_VoltageAmplifier292 "160R" 0603R 97.538,23.601 r0 bottom (schematic designator R27)
R27_U_VoltageAmplifier293 "160R" 0603R 148.338,23.601 r0 bottom (schematic designator R27)
R27_U_VoltageAmplifier294 "160R" 0603R 199.138,23.601 r0 bottom (schematic designator R27)
R27_U_VoltageAmplifier301 "160R" 0603R 46.738,11.917 r0 top (schematic designator R27)
R27_U_VoltageAmplifier302 "160R" 0603R 97.538,11.917 r0 top (schematic designator R27)
R27_U_VoltageAmplifier303 "160R" 0603R 148.338,11.917 r0 top (schematic designator R27)
R27_U_VoltageAmplifier304 "160R" 0603R 199.138,11.917 r0 top (schematic designator R27)
R27_U_VoltageAmplifier311 "160R" 0603R 46.738,14.711 r0 bottom (schematic designator R27)
R27_U_VoltageAmplifier312 "160R" 0603R 97.538,14.711 r0 bottom (schematic designator R27)
R27_U_VoltageAmplifier313 "160R" 0603R 148.338,14.711 r0 bottom (schematic designator R27)
R27_U_VoltageAmplifier314 "160R" 0603R 199.138,14.711 r0 bottom (schematic designator R27)
R27_U_VoltageAmplifier321 "160R" 0603R 62.008,29.606 r0 top (schematic designator R27)
R27_U_VoltageAmplifier322 "160R" 0603R 112.778,29.697 r0 top (schematic designator R27)
R27_U_VoltageAmplifier323 "160R" 0603R 163.578,29.697 r0 top (schematic designator R27)
R27_U_VoltageAmplifier324 "160R" 0603R 214.378,29.697 r0 top (schematic designator R27)
R27_U_VoltageAmplifier331 "160R" 0603R 62.008,32.4 r0 bottom (schematic designator R27)
R27_U_VoltageAmplifier332 "160R" 0603R 112.778,32.491 r0 bottom (schematic designator R27)
R27_U_VoltageAmplifier333 "160R" 0603R 163.578,32.491 r0 bottom (schematic designator R27)
R27_U_VoltageAmplifier334 "160R" 0603R 214.378,32.491 r0 bottom (schematic designator R27)
R27_U_VoltageAmplifier341 "160R" 0603R 61.978,20.807 r0 top (schematic designator R27)
R27_U_VoltageAmplifier342 "160R" 0603R 112.778,20.807 r0 top (schematic designator R27)
R27_U_VoltageAmplifier343 "160R" 0603R 163.578,20.807 r0 top (schematic designator R27)
R27_U_VoltageAmplifier344 "160R" 0603R 214.378,20.807 r0 top (schematic designator R27)
R27_U_VoltageAmplifier351 "160R" 0603R 61.978,23.601 r0 bottom (schematic designator R27)
R27_U_VoltageAmplifier352 "160R" 0603R 112.778,23.601 r0 bottom (schematic designator R27)
R27_U_VoltageAmplifier353 "160R" 0603R 163.578,23.601 r0 bottom (schematic designator R27)
R27_U_VoltageAmplifier354 "160R" 0603R 214.378,23.601 r0 bottom (schematic designator R27)
R27_U_VoltageAmplifier361 "160R" 0603R 61.978,11.917 r0 top (schematic designator R27)
R27_U_VoltageAmplifier362 "160R" 0603R 112.778,11.917 r0 top (schematic designator R27)
R27_U_VoltageAmplifier363 "160R" 0603R 163.578,11.663 r0 top (schematic designator R27)
R27_U_VoltageAmplifier364 "160R" 0603R 214.378,11.917 r0 top (schematic designator R27)
R27_U_VoltageAmplifier371 "160R" 0603R 61.978,14.711 r0 bottom (schematic designator R27)
R27_U_VoltageAmplifier372 "160R" 0603R 112.778,14.711 r0 bottom (schematic designator R27)
R27_U_VoltageAmplifier373 "160R" 0603R 163.578,14.457 r0 bottom (schematic designator R27)
R27_U_VoltageAmplifier374 "160R" 0603R 214.378,14.711 r0 bottom (schematic designator R27)
R27_U_VoltageAmplifier381 "160R" 0603R 76.903,13.828 r90 top (schematic designator R27)
R27_U_VoltageAmplifier382 "160R" 0603R 127.703,13.32 r90 top (schematic designator R27)
R27_U_VoltageAmplifier383 "160R" 0603R 178.503,13.32 r90 top (schematic designator R27)
R27_U_VoltageAmplifier384 "160R" 0603R 229.303,13.32 r90 top (schematic designator R27)
R28_U_VoltageAmplifier11 "1K" 0603R 38.788,80.319 r0 top (schematic designator R28)
R28_U_VoltageAmplifier12 "1K" 0603R 89.588,80.319 r0 top (schematic designator R28)
R28_U_VoltageAmplifier13 "1K" 0603R 140.388,80.319 r0 top (schematic designator R28)
R28_U_VoltageAmplifier14 "1K" 0603R 191.188,80.319 r0 top (schematic designator R28)
R28_U_VoltageAmplifier21 "1K" 0603R 38.788,78.872 r0 bottom (schematic designator R28)
R28_U_VoltageAmplifier22 "1K" 0603R 89.588,78.872 r0 bottom (schematic designator R28)
R28_U_VoltageAmplifier23 "1K" 0603R 140.388,78.872 r0 bottom (schematic designator R28)
R28_U_VoltageAmplifier24 "1K" 0603R 191.188,78.872 r0 bottom (schematic designator R28)
R28_U_VoltageAmplifier31 "1K" 0603R 38.788,89.209 r0 top (schematic designator R28)
R28_U_VoltageAmplifier32 "1K" 0603R 89.588,89.209 r0 top (schematic designator R28)
R28_U_VoltageAmplifier33 "1K" 0603R 140.388,89.209 r0 top (schematic designator R28)
R28_U_VoltageAmplifier34 "1K" 0603R 191.188,89.209 r0 top (schematic designator R28)
R28_U_VoltageAmplifier41 "1K" 0603R 38.788,87.762 r0 bottom (schematic designator R28)
R28_U_VoltageAmplifier42 "1K" 0603R 89.588,87.762 r0 bottom (schematic designator R28)
R28_U_VoltageAmplifier43 "1K" 0603R 140.388,87.762 r0 bottom (schematic designator R28)
R28_U_VoltageAmplifier44 "1K" 0603R 191.188,87.762 r0 bottom (schematic designator R28)
R28_U_VoltageAmplifier51 "1K" 0603R 38.788,98.099 r0 top (schematic designator R28)
R28_U_VoltageAmplifier52 "1K" 0603R 89.588,98.099 r0 top (schematic designator R28)
R28_U_VoltageAmplifier53 "1K" 0603R 140.388,98.099 r0 top (schematic designator R28)
R28_U_VoltageAmplifier54 "1K" 0603R 191.188,98.099 r0 top (schematic designator R28)
R28_U_VoltageAmplifier61 "1K" 0603R 38.788,96.652 r0 bottom (schematic designator R28)
R28_U_VoltageAmplifier62 "1K" 0603R 89.588,96.652 r0 bottom (schematic designator R28)
R28_U_VoltageAmplifier63 "1K" 0603R 140.388,96.652 r0 bottom (schematic designator R28)
R28_U_VoltageAmplifier64 "1K" 0603R 191.188,96.652 r0 bottom (schematic designator R28)
R28_U_VoltageAmplifier71 "1K" 0603R 54.028,80.319 r0 top (schematic designator R28)
R28_U_VoltageAmplifier72 "1K" 0603R 104.828,80.319 r0 top (schematic designator R28)
R28_U_VoltageAmplifier73 "1K" 0603R 155.628,80.319 r0 top (schematic designator R28)
R28_U_VoltageAmplifier74 "1K" 0603R 206.428,80.319 r0 top (schematic designator R28)
R28_U_VoltageAmplifier81 "1K" 0603R 54.028,78.872 r0 bottom (schematic designator R28)
R28_U_VoltageAmplifier82 "1K" 0603R 104.828,78.872 r0 bottom (schematic designator R28)
R28_U_VoltageAmplifier83 "1K" 0603R 155.628,78.872 r0 bottom (schematic designator R28)
R28_U_VoltageAmplifier84 "1K" 0603R 206.428,78.872 r0 bottom (schematic designator R28)
R28_U_VoltageAmplifier91 "1K" 0603R 54.028,89.209 r0 top (schematic designator R28)
R28_U_VoltageAmplifier92 "1K" 0603R 104.828,89.209 r0 top (schematic designator R28)
R28_U_VoltageAmplifier93 "1K" 0603R 155.628,89.209 r0 top (schematic designator R28)
R28_U_VoltageAmplifier94 "1K" 0603R 206.428,89.209 r0 top (schematic designator R28)
R28_U_VoltageAmplifier101 "1K" 0603R 54.028,87.762 r0 bottom (schematic designator R28)
R28_U_VoltageAmplifier102 "1K" 0603R 104.828,87.762 r0 bottom (schematic designator R28)
R28_U_VoltageAmplifier103 "1K" 0603R 155.628,87.762 r0 bottom (schematic designator R28)
R28_U_VoltageAmplifier104 "1K" 0603R 206.428,87.762 r0 bottom (schematic designator R28)
R28_U_VoltageAmplifier111 "1K" 0603R 54.028,98.099 r0 top (schematic designator R28)
R28_U_VoltageAmplifier112 "1K" 0603R 104.828,98.099 r0 top (schematic designator R28)
R28_U_VoltageAmplifier113 "1K" 0603R 155.628,98.099 r0 top (schematic designator R28)
R28_U_VoltageAmplifier114 "1K" 0603R 206.428,98.099 r0 top (schematic designator R28)
R28_U_VoltageAmplifier121 "1K" 0603R 54.028,96.652 r0 bottom (schematic designator R28)
R28_U_VoltageAmplifier122 "1K" 0603R 104.828,96.652 r0 bottom (schematic designator R28)
R28_U_VoltageAmplifier123 "1K" 0603R 155.628,96.652 r0 bottom (schematic designator R28)
R28_U_VoltageAmplifier124 "1K" 0603R 206.428,96.652 r0 bottom (schematic designator R28)
R28_U_VoltageAmplifier131 "1K" 0603R 69.268,80.319 r0 top (schematic designator R28)
R28_U_VoltageAmplifier132 "1K" 0603R 120.068,80.319 r0 top (schematic designator R28)
R28_U_VoltageAmplifier133 "1K" 0603R 170.868,80.319 r0 top (schematic designator R28)
R28_U_VoltageAmplifier134 "1K" 0603R 221.668,80.319 r0 top (schematic designator R28)
R28_U_VoltageAmplifier141 "1K" 0603R 69.268,78.872 r0 bottom (schematic designator R28)
R28_U_VoltageAmplifier142 "1K" 0603R 120.068,78.872 r0 bottom (schematic designator R28)
R28_U_VoltageAmplifier143 "1K" 0603R 170.868,78.872 r0 bottom (schematic designator R28)
R28_U_VoltageAmplifier144 "1K" 0603R 221.668,78.872 r0 bottom (schematic designator R28)
R28_U_VoltageAmplifier151 "1K" 0603R 69.268,89.209 r0 top (schematic designator R28)
R28_U_VoltageAmplifier152 "1K" 0603R 120.068,89.209 r0 top (schematic designator R28)
R28_U_VoltageAmplifier153 "1K" 0603R 170.868,89.209 r0 top (schematic designator R28)
R28_U_VoltageAmplifier154 "1K" 0603R 221.668,89.209 r0 top (schematic designator R28)
R28_U_VoltageAmplifier161 "1K" 0603R 69.268,87.762 r0 bottom (schematic designator R28)
R28_U_VoltageAmplifier162 "1K" 0603R 120.068,87.762 r0 bottom (schematic designator R28)
R28_U_VoltageAmplifier163 "1K" 0603R 170.868,87.762 r0 bottom (schematic designator R28)
R28_U_VoltageAmplifier164 "1K" 0603R 221.668,87.762 r0 bottom (schematic designator R28)
R28_U_VoltageAmplifier171 "1K" 0603R 69.268,98.099 r0 top (schematic designator R28)
R28_U_VoltageAmplifier172 "1K" 0603R 120.068,98.099 r0 top (schematic designator R28)
R28_U_VoltageAmplifier173 "1K" 0603R 170.868,98.099 r0 top (schematic designator R28)
R28_U_VoltageAmplifier174 "1K" 0603R 221.668,98.099 r0 top (schematic designator R28)
R28_U_VoltageAmplifier181 "1K" 0603R 69.268,96.652 r0 bottom (schematic designator R28)
R28_U_VoltageAmplifier182 "1K" 0603R 120.068,96.652 r0 bottom (schematic designator R28)
R28_U_VoltageAmplifier183 "1K" 0603R 170.868,96.652 r0 bottom (schematic designator R28)
R28_U_VoltageAmplifier184 "1K" 0603R 221.668,96.652 r0 bottom (schematic designator R28)
R28_U_VoltageAmplifier191 "1K" 0603R 76.399,89.91 r270 top (schematic designator R28)
R28_U_VoltageAmplifier192 "1K" 0603R 127.199,89.91 r270 top (schematic designator R28)
R28_U_VoltageAmplifier193 "1K" 0603R 177.999,89.91 r270 top (schematic designator R28)
R28_U_VoltageAmplifier194 "1K" 0603R 228.799,89.91 r270 top (schematic designator R28)